# EAGLE board Mk4 Final Panel 8up 4x2 (EAGLE 9.0.1), part 9 of 23 (continued)
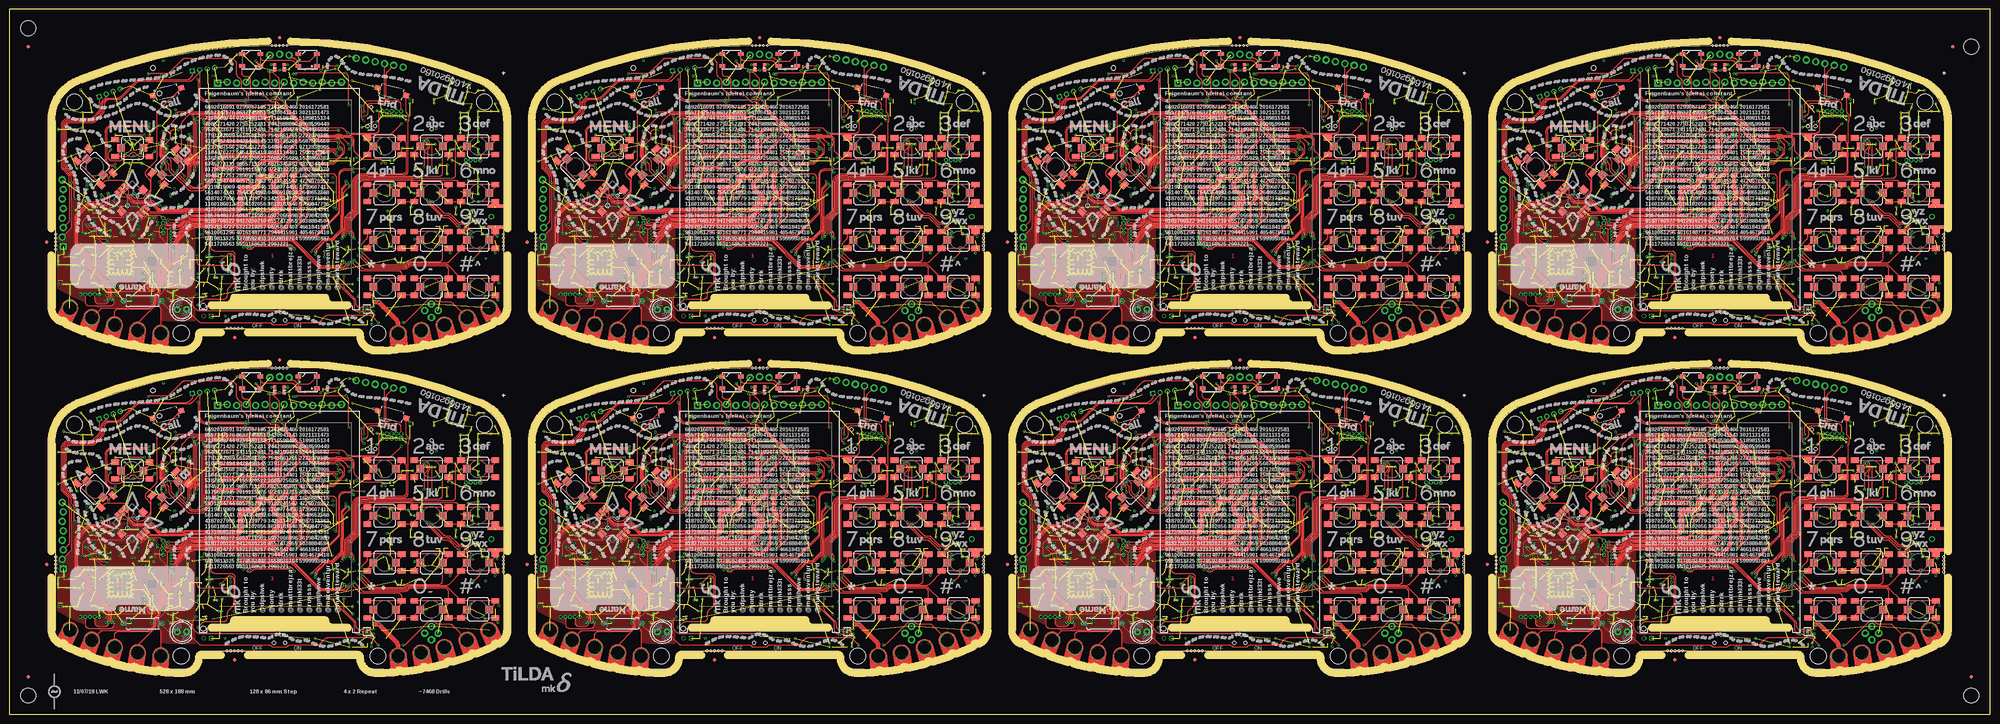
[diagram p0: board, top side]
## Tracks (layer width: path | path; a pad name or v marks a point on that pad's centre or on a via) (continued)
  Bottom 0.15: IC38.12 73.8,145.69 arc45 73.65,146.05 v73.2,146.5
  Bottom 0.2: IC47.32 24.75,124.25 24.54,124.46 arc-45 24.25,125.16 24.25,125.5 arc90 23.25,126.5 R229.1 C295.2 arc-90 19.5,127.25 v19.5,128.25
CC_!RESET3  (via drill 0.3)
  Top 0.15: v201.2,146.5 201.2,145.95 arc45 201.35,145.6 201.38,145.56 arc-45 201.53,145.21 201.53,145.09 arc-45 201.45,144.9 arc45 201.3,144.55 201.3,144.54 arc-45 201.15,144.19 198.86,141.89 arc90 198.86,140.12 200.31,138.67 arc-45 200.6,137.96 200.6,137.41 arc-45 200.45,137.05 200.25,136.85 arc45 200.1,136.49 200.1,136.22 arc-45 199.51,134.81 197.7,132.99 arc-45 196.99,132.7 176.78,132.7 arc45 174.58,131.85 173.63,130.89 arc-45 172.92,130.6 170.3,130.6 arc-90 169.8,131.1 169.8,131.51 arc90 JP34.4 168.39,132.91 arc45 167.69,133.2 165.13,133.2 arc45 164.78,133.05 164.26,132.53 arc-45 163.94,132.4 arc45 163.58,132.25 163.28,131.95 arc-90 162.93,131.95 161.56,133.31 arc45 160.86,133.6 159.81,133.6 arc45 159.11,133.31 158.49,132.69 arc-45 157.79,132.4 148.9,132.4 arc90 147.4,130.9 147.4,128.34 v147.5,128.24 v147.5,128.25
  Bottom 0.15: IC56.12 201.8,145.69 arc45 201.65,146.05 v201.2,146.5
  Bottom 0.2: IC65.32 152.75,124.25 152.54,124.46 arc-45 152.25,125.16 152.25,125.5 arc90 151.25,126.5 R307.1 C403.2 arc-90 147.5,127.25 v147.5,128.25
CC_!RESET4  (via drill 0.3)
  Top 0.15: v329.2,60.5 329.2,59.95 arc45 329.35,59.6 329.38,59.56 arc-45 329.52,59.21 329.52,59.09 arc-45 329.45,58.9 arc45 329.3,58.55 329.3,58.54 arc-45 329.15,58.19 326.86,55.89 arc90 326.86,54.12 328.31,52.67 arc-45 328.6,51.96 328.6,51.41 arc-45 328.45,51.05 328.25,50.85 arc45 328.1,50.49 328.1,50.22 arc-45 327.51,48.81 325.7,46.99 arc-45 324.99,46.7 304.78,46.7 arc45 302.58,45.85 301.63,44.89 arc-45 300.92,44.6 298.3,44.6 arc-90 297.8,45.1 297.8,45.51 arc90 JP43.4 296.39,46.91 arc45 295.69,47.2 293.13,47.2 arc45 292.78,47.05 292.26,46.53 arc-45 291.94,46.4 arc45 291.59,46.25 291.28,45.95 arc-90 290.93,45.95 289.56,47.31 arc45 288.86,47.6 287.81,47.6 arc45 287.11,47.31 286.49,46.69 arc-45 285.79,46.4 276.9,46.4 arc90 275.4,44.9 275.4,42.34 v275.5,42.24 v275.5,42.25
  Bottom 0.15: IC74.12 329.8,59.69 arc45 329.65,60.05 v329.2,60.5
  Bottom 0.2: IC83.32 280.75,38.25 280.54,38.46 arc-45 280.25,39.16 280.25,39.5 arc90 279.25,40.5 R385.1 C511.2 arc-90 275.5,41.25 v275.5,42.25
CC_!RESET5  (via drill 0.3)
  Top 0.15: v457.2,60.5 457.2,59.95 arc45 457.35,59.6 457.38,59.56 arc-45 457.52,59.21 457.52,59.09 arc-45 457.45,58.9 arc45 457.3,58.55 457.3,58.54 arc-45 457.15,58.19 454.86,55.89 arc90 454.86,54.12 456.31,52.67 arc-45 456.6,51.96 456.6,51.41 arc-45 456.45,51.05 456.25,50.85 arc45 456.1,50.49 456.1,50.22 arc-45 455.51,48.81 453.7,46.99 arc-45 452.99,46.7 432.78,46.7 arc45 430.58,45.85 429.63,44.89 arc-45 428.92,44.6 426.3,44.6 arc-90 425.8,45.1 425.8,45.51 arc90 JP52.4 424.39,46.91 arc45 423.69,47.2 421.13,47.2 arc45 420.78,47.05 420.26,46.53 arc-45 419.94,46.4 arc45 419.58,46.25 419.28,45.95 arc-90 418.93,45.95 417.56,47.31 arc45 416.86,47.6 415.81,47.6 arc45 415.11,47.31 414.49,46.69 arc-45 413.79,46.4 404.9,46.4 arc90 403.4,44.9 403.4,42.34 v403.5,42.24 v403.5,42.25
  Bottom 0.15: IC92.12 457.8,59.69 arc45 457.65,60.05 v457.2,60.5
  Bottom 0.2: IC101.32 408.75,38.25 408.54,38.46 arc-45 408.25,39.16 408.25,39.5 arc90 407.25,40.5 R463.1 C619.2 arc-90 403.5,41.25 v403.5,42.25
CC_!RESET6  (via drill 0.3)
  Top 0.15: v329.2,146.5 329.2,145.95 arc45 329.35,145.6 329.38,145.56 arc-45 329.52,145.21 329.52,145.09 arc-45 329.45,144.9 arc45 329.3,144.55 329.3,144.54 arc-45 329.15,144.19 326.86,141.89 arc90 326.86,140.12 328.31,138.67 arc-45 328.6,137.96 328.6,137.41 arc-45 328.45,137.05 328.25,136.85 arc45 328.1,136.49 328.1,136.22 arc-45 327.51,134.81 325.7,132.99 arc-45 324.99,132.7 304.78,132.7 arc45 302.58,131.85 301.63,130.89 arc-45 300.92,130.6 298.3,130.6 arc-90 297.8,131.1 297.8,131.51 arc90 JP61.4 296.39,132.91 arc45 295.69,133.2 293.13,133.2 arc45 292.78,133.05 292.26,132.53 arc-45 291.94,132.4 arc45 291.59,132.25 291.28,131.95 arc-90 290.93,131.95 289.56,133.31 arc45 288.86,133.6 287.81,133.6 arc45 287.11,133.31 286.49,132.69 arc-45 285.79,132.4 276.9,132.4 arc90 275.4,130.9 275.4,128.34 v275.5,128.24 v275.5,128.25
  Bottom 0.15: IC110.12 329.8,145.69 arc45 329.65,146.05 v329.2,146.5
  Bottom 0.2: IC119.32 280.75,124.25 280.54,124.46 arc-45 280.25,125.16 280.25,125.5 arc90 279.25,126.5 R541.1 C727.2 arc-90 275.5,127.25 v275.5,128.25
CC_!RESET7  (via drill 0.3)
  Top 0.15: v457.2,146.5 457.2,145.95 arc45 457.35,145.6 457.38,145.56 arc-45 457.52,145.21 457.52,145.09 arc-45 457.45,144.9 arc45 457.3,144.55 457.3,144.54 arc-45 457.15,144.19 454.86,141.89 arc90 454.86,140.12 456.31,138.67 arc-45 456.6,137.96 456.6,137.41 arc-45 456.45,137.05 456.25,136.85 arc45 456.1,136.49 456.1,136.22 arc-45 455.51,134.81 453.7,132.99 arc-45 452.99,132.7 432.78,132.7 arc45 430.58,131.85 429.63,130.89 arc-45 428.92,130.6 426.3,130.6 arc-90 425.8,131.1 425.8,131.51 arc90 JP70.4 424.39,132.91 arc45 423.69,133.2 421.13,133.2 arc45 420.78,133.05 420.26,132.53 arc-45 419.94,132.4 arc45 419.58,132.25 419.28,131.95 arc-90 418.93,131.95 417.56,133.31 arc45 416.86,133.6 415.81,133.6 arc45 415.11,133.31 414.49,132.69 arc-45 413.79,132.4 404.9,132.4 arc90 403.4,130.9 403.4,128.34 v403.5,128.24 v403.5,128.25
  Bottom 0.15: IC128.12 457.8,145.69 arc45 457.65,146.05 v457.2,146.5
  Bottom 0.2: IC137.32 408.75,124.25 408.54,124.46 arc-45 408.25,125.16 408.25,125.5 arc90 407.25,126.5 R619.1 C835.2 arc-90 403.5,127.25 v403.5,128.25
CC_!RTS
  Bottom 0.2: IC15.50 35.04,37.75 arc-45 35.4,37.6 35.65,37.35 arc45 36.01,37.2 38.05,37.2 arc90 38.55,37.7 38.55,37.8 R70.1
CC_!RTS1
  Bottom 0.2: IC29.50 163.04,37.75 arc-45 163.4,37.6 163.65,37.35 arc45 164.01,37.2 166.05,37.2 arc90 166.55,37.7 166.55,37.8 R148.1
CC_!RTS2
  Bottom 0.2: IC47.50 35.04,123.75 arc-45 35.4,123.6 35.65,123.35 arc45 36.01,123.2 38.05,123.2 arc90 38.55,123.7 38.55,123.8 R226.1
CC_!RTS3
  Bottom 0.2: IC65.50 163.04,123.75 arc-45 163.4,123.6 163.65,123.35 arc45 164.01,123.2 166.05,123.2 arc90 166.55,123.7 166.55,123.8 R304.1
CC_!RTS4
  Bottom 0.2: IC83.50 291.04,37.75 arc-45 291.4,37.6 291.65,37.35 arc45 292.01,37.2 294.05,37.2 arc90 294.55,37.7 294.55,37.8 R382.1
CC_!RTS5
  Bottom 0.2: IC101.50 419.04,37.75 arc-45 419.4,37.6 419.65,37.35 arc45 420.01,37.2 422.05,37.2 arc90 422.55,37.7 422.55,37.8 R460.1
CC_!RTS6
  Bottom 0.2: IC119.50 291.04,123.75 arc-45 291.4,123.6 291.65,123.35 arc45 292.01,123.2 294.05,123.2 arc90 294.55,123.7 294.55,123.8 R538.1
CC_!RTS7
  Bottom 0.2: IC137.50 419.04,123.75 arc-45 419.4,123.6 419.65,123.35 arc45 420.01,123.2 422.05,123.2 arc90 422.55,123.7 422.55,123.8 R616.1
CC_IRQ  (via drill 0.3)
  Top 0.15: v26.25,29.44 26.27,29.41 26.27,29.23 28.56,26.94 arc45 29.26,26.65 38.15,26.65 arc90 39.4,27.9 arc-45 39.91,29.14 39.96,29.18 arc45 40.4,30.25 40.4,31.6 arc-45 40.99,33.01 42.12,34.15 arc45 42.56,35.21 42.56,38.02 arc-45 42.86,38.73 47.99,43.86 arc-45 49.05,44.3 69.69,44.3 arc-45 70.39,44.01 70.91,43.49 arc45 71.61,43.2 71.89,43.2 arc45 72.59,43.49 74.21,45.11 arc45 74.5,45.81 74.5,49.68 arc-45 74.94,50.74 75.96,51.76 arc45 76.33,52.64 76.33,53.09 76.3,53.12 arc45 76.12,53.56 75.89,53.78 arc-45 75.6,54.49 75.6,57.44 arc-45 75.89,58.15 76.13,58.39 arc45 76.28,58.74 76.28,59.27 arc-45 76.42,59.62 v76.8,60
  Bottom 0.15: R72.1 26.25,27.75 v26.25,29.44 IC15.15 | IC1.123 78.82,60.8 arc45 78.78,60.78 arc-45 78.64,60.73 78.36,60.73 arc-45 78.22,60.78 78.17,60.84 arc45 78.03,60.9 76.08,60.9 arc90 75.58,60.4 75.58,60.2 arc90 76.08,59.7 76.5,59.7 v76.8,60
CC_IRQ1  (via drill 0.3)
  Top 0.15: v154.25,29.44 154.28,29.41 154.28,29.23 156.56,26.94 arc45 157.26,26.65 166.15,26.65 arc90 167.4,27.9 arc-45 167.91,29.14 167.96,29.18 arc45 168.4,30.25 168.4,31.6 arc-45 168.99,33.01 170.12,34.15 arc45 170.56,35.21 170.56,38.02 arc-45 170.86,38.73 175.99,43.86 arc-45 177.05,44.3 197.69,44.3 arc-45 198.39,44.01 198.91,43.49 arc45 199.61,43.2 199.89,43.2 arc45 200.59,43.49 202.21,45.11 arc45 202.5,45.81 202.5,49.68 arc-45 202.94,50.74 203.96,51.76 arc45 204.32,52.64 204.32,53.09 204.3,53.12 arc45 204.12,53.56 203.89,53.78 arc-45 203.6,54.49 203.6,57.44 arc-45 203.89,58.15 204.13,58.39 arc45 204.28,58.74 204.28,59.27 arc-45 204.42,59.62 v204.8,60
  Bottom 0.15: R150.1 154.25,27.75 v154.25,29.44 IC29.15 | IC20.123 206.82,60.8 arc45 206.78,60.78 arc-45 206.63,60.73 206.37,60.73 arc-45 206.22,60.78 206.17,60.84 arc45 206.03,60.9 204.07,60.9 arc90 203.57,60.4 203.57,60.2 arc90 204.07,59.7 204.5,59.7 v204.8,60
CC_IRQ2  (via drill 0.3)
  Top 0.15: v26.25,115.44 26.27,115.41 26.27,115.22 28.56,112.94 arc45 29.26,112.65 38.15,112.65 arc90 39.4,113.9 arc-45 39.91,115.14 39.96,115.19 arc45 40.4,116.25 40.4,117.6 arc-45 40.99,119.01 42.12,120.15 arc45 42.56,121.21 42.56,124.02 arc-45 42.86,124.73 47.99,129.86 arc-45 49.05,130.3 69.69,130.3 arc-45 70.39,130.01 70.91,129.49 arc45 71.61,129.2 71.89,129.2 arc45 72.59,129.49 74.21,131.11 arc45 74.5,131.81 74.5,135.68 arc-45 74.94,136.74 75.96,137.76 arc45 76.33,138.64 76.33,139.09 76.3,139.12 arc45 76.12,139.56 75.89,139.78 arc-45 75.6,140.49 75.6,143.44 arc-45 75.89,144.15 76.13,144.39 arc45 76.28,144.74 76.28,145.27 arc-45 76.42,145.62 v76.8,146
  Bottom 0.15: R228.1 26.25,113.75 v26.25,115.44 IC47.15 | IC38.123 78.82,146.8 arc45 78.78,146.78 arc-45 78.64,146.72 78.36,146.72 arc-45 78.22,146.78 78.17,146.84 arc45 78.03,146.9 76.08,146.9 arc90 75.58,146.4 75.58,146.2 arc90 76.08,145.7 76.5,145.7 v76.8,146
CC_IRQ3  (via drill 0.3)
  Top 0.15: v154.25,115.44 154.28,115.41 154.28,115.22 156.56,112.94 arc45 157.26,112.65 166.15,112.65 arc90 167.4,113.9 arc-45 167.91,115.14 167.96,115.19 arc45 168.4,116.25 168.4,117.6 arc-45 168.99,119.01 170.12,120.15 arc45 170.56,121.21 170.56,124.02 arc-45 170.86,124.73 175.99,129.86 arc-45 177.05,130.3 197.69,130.3 arc-45 198.39,130.01 198.91,129.49 arc45 199.61,129.2 199.89,129.2 arc45 200.59,129.49 202.21,131.11 arc45 202.5,131.81 202.5,135.68 arc-45 202.94,136.74 203.96,137.76 arc45 204.32,138.64 204.32,139.09 204.3,139.12 arc45 204.12,139.56 203.89,139.78 arc-45 203.6,140.49 203.6,143.44 arc-45 203.89,144.15 204.13,144.39 arc45 204.28,144.74 204.28,145.27 arc-45 204.42,145.62 v204.8,146
  Bottom 0.15: R306.1 154.25,113.75 v154.25,115.44 IC65.15 | IC56.123 206.82,146.8 arc45 206.78,146.78 arc-45 206.63,146.72 206.37,146.72 arc-45 206.22,146.78 206.17,146.84 arc45 206.03,146.9 204.07,146.9 arc90 203.57,146.4 203.57,146.2 arc90 204.07,145.7 204.5,145.7 v204.8,146
CC_IRQ4  (via drill 0.3)
  Top 0.15: v282.25,29.44 282.27,29.41 282.27,29.23 284.56,26.94 arc45 285.26,26.65 294.15,26.65 arc90 295.4,27.9 arc-45 295.91,29.14 295.96,29.18 arc45 296.4,30.25 296.4,31.6 arc-45 296.99,33.01 298.12,34.15 arc45 298.56,35.21 298.56,38.02 arc-45 298.86,38.73 303.99,43.86 arc-45 305.05,44.3 325.69,44.3 arc-45 326.39,44.01 326.91,43.49 arc45 327.61,43.2 327.89,43.2 arc45 328.59,43.49 330.21,45.11 arc45 330.5,45.81 330.5,49.68 arc-45 330.94,50.74 331.96,51.76 arc45 332.32,52.64 332.32,53.09 332.3,53.12 arc45 332.12,53.56 331.89,53.78 arc-45 331.6,54.49 331.6,57.44 arc-45 331.89,58.15 332.13,58.39 arc45 332.27,58.74 332.27,59.27 arc-45 332.42,59.62 v332.8,60
  Bottom 0.15: R384.1 282.25,27.75 v282.25,29.44 IC83.15 | IC74.123 334.82,60.8 arc45 334.78,60.78 arc-45 334.63,60.73 334.37,60.73 arc-45 334.22,60.78 334.17,60.84 arc45 334.02,60.9 332.07,60.9 arc90 331.57,60.4 331.57,60.2 arc90 332.07,59.7 332.5,59.7 v332.8,60
CC_IRQ5  (via drill 0.3)
  Top 0.15: v410.25,29.44 410.27,29.41 410.27,29.23 412.56,26.94 arc45 413.26,26.65 422.15,26.65 arc90 423.4,27.9 arc-45 423.91,29.14 423.96,29.18 arc45 424.4,30.25 424.4,31.6 arc-45 424.99,33.01 426.12,34.15 arc45 426.56,35.21 426.56,38.02 arc-45 426.86,38.73 431.99,43.86 arc-45 433.05,44.3 453.69,44.3 arc-45 454.39,44.01 454.91,43.49 arc45 455.61,43.2 455.89,43.2 arc45 456.59,43.49 458.21,45.11 arc45 458.5,45.81 458.5,49.68 arc-45 458.94,50.74 459.96,51.76 arc45 460.32,52.64 460.32,53.09 460.3,53.12 arc45 460.12,53.56 459.89,53.78 arc-45 459.6,54.49 459.6,57.44 arc-45 459.89,58.15 460.13,58.39 arc45 460.27,58.74 460.27,59.27 arc-45 460.42,59.62 v460.8,60
  Bottom 0.15: R462.1 410.25,27.75 v410.25,29.44 IC101.15 | IC92.123 462.82,60.8 arc45 462.78,60.78 arc-45 462.63,60.73 462.37,60.73 arc-45 462.22,60.78 462.17,60.84 arc45 462.02,60.9 460.07,60.9 arc90 459.57,60.4 459.57,60.2 arc90 460.07,59.7 460.5,59.7 v460.8,60
CC_IRQ6  (via drill 0.3)
  Top 0.15: v282.25,115.44 282.27,115.41 282.27,115.22 284.56,112.94 arc45 285.26,112.65 294.15,112.65 arc90 295.4,113.9 arc-45 295.91,115.14 295.96,115.19 arc45 296.4,116.25 296.4,117.6 arc-45 296.99,119.01 298.12,120.15 arc45 298.56,121.21 298.56,124.02 arc-45 298.86,124.73 303.99,129.86 arc-45 305.05,130.3 325.69,130.3 arc-45 326.39,130.01 326.91,129.49 arc45 327.61,129.2 327.89,129.2 arc45 328.59,129.49 330.21,131.11 arc45 330.5,131.81 330.5,135.68 arc-45 330.94,136.74 331.96,137.76 arc45 332.32,138.64 332.32,139.09 332.3,139.12 arc45 332.12,139.56 331.89,139.78 arc-45 331.6,140.49 331.6,143.44 arc-45 331.89,144.15 332.13,144.39 arc45 332.27,144.74 332.27,145.27 arc-45 332.42,145.62 v332.8,146
  Bottom 0.15: R540.1 282.25,113.75 v282.25,115.44 IC119.15 | IC110.123 334.82,146.8 arc45 334.78,146.78 arc-45 334.63,146.72 334.37,146.72 arc-45 334.22,146.78 334.17,146.84 arc45 334.02,146.9 332.07,146.9 arc90 331.57,146.4 331.57,146.2 arc90 332.07,145.7 332.5,145.7 v332.8,146
CC_IRQ7  (via drill 0.3)
  Top 0.15: v410.25,115.44 410.27,115.41 410.27,115.22 412.56,112.94 arc45 413.26,112.65 422.15,112.65 arc90 423.4,113.9 arc-45 423.91,115.14 423.96,115.19 arc45 424.4,116.25 424.4,117.6 arc-45 424.99,119.01 426.12,120.15 arc45 426.56,121.21 426.56,124.02 arc-45 426.86,124.73 431.99,129.86 arc-45 433.05,130.3 453.69,130.3 arc-45 454.39,130.01 454.91,129.49 arc45 455.61,129.2 455.89,129.2 arc45 456.59,129.49 458.21,131.11 arc45 458.5,131.81 458.5,135.68 arc-45 458.94,136.74 459.96,137.76 arc45 460.32,138.64 460.32,139.09 460.3,139.12 arc45 460.12,139.56 459.89,139.78 arc-45 459.6,140.49 459.6,143.44 arc-45 459.89,144.15 460.13,144.39 arc45 460.27,144.74 460.27,145.27 arc-45 460.42,145.62 v460.8,146
  Bottom 0.15: R618.1 410.25,113.75 v410.25,115.44 IC137.15 | IC128.123 462.82,146.8 arc45 462.78,146.78 arc-45 462.63,146.72 462.37,146.72 arc-45 462.22,146.78 462.17,146.84 arc45 462.02,146.9 460.07,146.9 arc90 459.57,146.4 459.57,146.2 arc90 460.07,145.7 460.5,145.7 v460.8,146
CC_RCT_XTAL_N
  Bottom 0.25: C100.2 38.05,33.25 X3.P$1 37.25,33.2 arc-90 36.75,33.7 36.75,35.44 arc45 36.6,35.8 36.15,36.25 arc45 35.79,36.4 35.56,36.4 arc-45 35.2,36.55 35.15,36.6 arc45 34.79,36.75 IC15.52
CC_RCT_XTAL_N1
  Bottom 0.25: C208.2 166.05,33.25 X7.P$1 165.25,33.2 arc-90 164.75,33.7 164.75,35.44 arc45 164.6,35.8 164.15,36.25 arc45 163.79,36.4 163.56,36.4 arc-45 163.2,36.55 163.15,36.6 arc45 162.79,36.75 IC29.52
CC_RCT_XTAL_N2
  Bottom 0.25: C316.2 38.05,119.25 X11.P$1 37.25,119.2 arc-90 36.75,119.7 36.75,121.44 arc45 36.6,121.8 36.15,122.25 arc45 35.79,122.4 35.56,122.4 arc-45 35.2,122.55 35.15,122.6 arc45 34.79,122.75 IC47.52
CC_RCT_XTAL_N3
  Bottom 0.25: C424.2 166.05,119.25 X15.P$1 165.25,119.2 arc-90 164.75,119.7 164.75,121.44 arc45 164.6,121.8 164.15,122.25 arc45 163.79,122.4 163.56,122.4 arc-45 163.2,122.55 163.15,122.6 arc45 162.79,122.75 IC65.52
CC_RCT_XTAL_N4
  Bottom 0.25: C532.2 294.05,33.25 X19.P$1 293.25,33.2 arc-90 292.75,33.7 292.75,35.44 arc45 292.6,35.8 292.15,36.25 arc45 291.79,36.4 291.56,36.4 arc-45 291.2,36.55 291.15,36.6 arc45 290.79,36.75 IC83.52
CC_RCT_XTAL_N5
  Bottom 0.25: C640.2 422.05,33.25 X23.P$1 421.25,33.2 arc-90 420.75,33.7 420.75,35.44 arc45 420.6,35.8 420.15,36.25 arc45 419.79,36.4 419.56,36.4 arc-45 419.2,36.55 419.15,36.6 arc45 418.79,36.75 IC101.52
CC_RCT_XTAL_N6
  Bottom 0.25: C748.2 294.05,119.25 X27.P$1 293.25,119.2 arc-90 292.75,119.7 292.75,121.44 arc45 292.6,121.8 292.15,122.25 arc45 291.79,122.4 291.56,122.4 arc-45 291.2,122.55 291.15,122.6 arc45 290.79,122.75 IC119.52
CC_RCT_XTAL_N7
  Bottom 0.25: C856.2 422.05,119.25 X31.P$1 421.25,119.2 arc-90 420.75,119.7 420.75,121.44 arc45 420.6,121.8 420.15,122.25 arc45 419.79,122.4 419.56,122.4 arc-45 419.2,122.55 419.15,122.6 arc45 418.79,122.75 IC137.52
CC_RESERVED@1
  Bottom 0.15: IC29.19 152.72,31.75 arc90 152.47,31.5 152.47,30.53 153,30.01 R143.1
CC_RESERVED@2
  Bottom 0.15: IC47.19 24.73,117.75 arc90 24.48,117.5 24.48,116.53 25,116.01 R221.1
CC_RESERVED@3
  Bottom 0.15: IC65.19 152.72,117.75 arc90 152.47,117.5 152.47,116.53 153,116.01 R299.1
CC_RESERVED@4
  Bottom 0.15: IC83.19 280.73,31.75 arc90 280.48,31.5 280.48,30.53 281,30.01 R377.1
CC_RESERVED@5
  Bottom 0.15: IC101.19 408.73,31.75 arc90 408.48,31.5 408.48,30.53 409,30.01 R455.1
CC_RESERVED@6
  Bottom 0.15: IC119.19 280.73,117.75 arc90 280.48,117.5 280.48,116.53 281,116.01 R533.1
CC_RESERVED@7
  Bottom 0.15: IC137.19 408.73,117.75 arc90 408.48,117.5 408.48,116.53 409,116.01 R611.1
CC_RESERVED@19
  Bottom 0.15: IC15.19 24.73,31.75 arc90 24.48,31.5 24.48,30.53 25,30.01 R65.1
CC_RTC_XTAL_P
  Bottom 0.25: C101.2 38.05,36.25 X3.P$2 36.91,36.3 arc-45 36.55,36.45 36.32,36.68 arc45 35.97,36.83 35.85,36.83 arc-45 35.5,36.97 35.37,37.1 arc45 35.01,37.25 IC15.51
CC_RTC_XTAL_P1
  Bottom 0.25: C209.2 166.05,36.25 X7.P$2 164.91,36.3 arc-45 164.55,36.45 164.32,36.68 arc45 163.97,36.83 163.85,36.83 arc-45 163.5,36.97 163.37,37.1 arc45 163.01,37.25 IC29.51
CC_RTC_XTAL_P2
  Bottom 0.25: C317.2 38.05,122.25 X11.P$2 36.91,122.3 arc-45 36.55,122.45 36.32,122.68 arc45 35.97,122.83 35.85,122.83 arc-45 35.5,122.97 35.37,123.1 arc45 35.01,123.25 IC47.51
CC_RTC_XTAL_P3
  Bottom 0.25: C425.2 166.05,122.25 X15.P$2 164.91,122.3 arc-45 164.55,122.45 164.32,122.68 arc45 163.97,122.83 163.85,122.83 arc-45 163.5,122.97 163.37,123.1 arc45 163.01,123.25 IC65.51
CC_RTC_XTAL_P4
  Bottom 0.25: C533.2 294.05,36.25 X19.P$2 292.91,36.3 arc-45 292.55,36.45 292.32,36.68 arc45 291.97,36.83 291.85,36.83 arc-45 291.5,36.97 291.37,37.1 arc45 291.01,37.25 IC83.51
CC_RTC_XTAL_P5
  Bottom 0.25: C641.2 422.05,36.25 X23.P$2 420.91,36.3 arc-45 420.55,36.45 420.32,36.68 arc45 419.97,36.83 419.85,36.83 arc-45 419.5,36.97 419.37,37.1 arc45 419.01,37.25 IC101.51
CC_RTC_XTAL_P6
  Bottom 0.25: C749.2 294.05,122.25 X27.P$2 292.91,122.3 arc-45 292.55,122.45 292.32,122.68 arc45 291.97,122.83 291.85,122.83 arc-45 291.5,122.97 291.37,123.1 arc45 291.01,123.25 IC119.51
CC_RTC_XTAL_P7
  Bottom 0.25: C857.2 422.05,122.25 X31.P$2 420.91,122.3 arc-45 420.55,122.45 420.32,122.68 arc45 419.97,122.83 419.85,122.83 arc-45 419.5,122.97 419.37,123.1 arc45 419.01,123.25 IC137.51
CC_TEST1
  Bottom 0.15: IC29.62 162.32,31.75 arc-90 162.53,31.55 162.53,29.27 TP38.TP
CC_TEST2
  Bottom 0.15: IC47.62 34.33,117.75 arc-90 34.52,117.55 34.52,115.28 TP57.TP
CC_TEST3
  Bottom 0.15: IC65.62 162.32,117.75 arc-90 162.53,117.55 162.53,115.28 TP76.TP
CC_TEST4
  Bottom 0.15: IC83.62 290.32,31.75 arc-90 290.52,31.55 290.52,29.27 TP95.TP
CC_TEST5
  Bottom 0.15: IC101.62 418.32,31.75 arc-90 418.52,31.55 418.52,29.27 TP114.TP
CC_TEST6
  Bottom 0.15: IC119.62 290.32,117.75 arc-90 290.52,117.55 290.52,115.28 TP133.TP
CC_TEST7
  Bottom 0.15: IC137.62 418.32,117.75 arc-90 418.52,117.55 418.52,115.28 TP152.TP
CC_TEST62
  Bottom 0.15: IC15.62 34.33,31.75 arc-90 34.52,31.55 34.52,29.27 TP19.TP
CC_WLAN_XTAL_
  Bottom 0.15: X4.3 19.88,30.32 20.51,30.96 arc-45 21.21,31.25 22.04,31.25 arc-45 22.74,30.96 C99.2 arc90 23.88,31.68 23.88,32.5 arc-90 24.62,33.25 IC15.22
CC_WLAN_XTAL_1
  Bottom 0.15: X8.3 147.88,30.32 148.51,30.96 arc-45 149.21,31.25 150.04,31.25 arc-45 150.74,30.96 C207.2 arc90 151.88,31.68 151.88,32.5 arc-90 152.62,33.25 IC29.22
CC_WLAN_XTAL_2
  Bottom 0.15: X12.3 19.88,116.33 20.51,116.96 arc-45 21.21,117.25 22.04,117.25 arc-45 22.74,116.96 C315.2 arc90 23.88,117.67 23.88,118.5 arc-90 24.62,119.25 IC47.22
CC_WLAN_XTAL_3
  Bottom 0.15: X16.3 147.88,116.33 148.51,116.96 arc-45 149.21,117.25 150.04,117.25 arc-45 150.74,116.96 C423.2 arc90 151.88,117.67 151.88,118.5 arc-90 152.62,119.25 IC65.22
CC_WLAN_XTAL_4
  Bottom 0.15: X20.3 275.88,30.32 276.51,30.96 arc-45 277.21,31.25 278.04,31.25 arc-45 278.74,30.96 C531.2 arc90 279.88,31.68 279.88,32.5 arc-90 280.62,33.25 IC83.22
CC_WLAN_XTAL_5
  Bottom 0.15: X24.3 403.88,30.32 404.51,30.96 arc-45 405.21,31.25 406.04,31.25 arc-45 406.74,30.96 C639.2 arc90 407.88,31.68 407.88,32.5 arc-90 408.62,33.25 IC101.22
CC_WLAN_XTAL_6
  Bottom 0.15: X28.3 275.88,116.33 276.51,116.96 arc-45 277.21,117.25 278.04,117.25 arc-45 278.74,116.96 C747.2 arc90 279.88,117.67 279.88,118.5 arc-90 280.62,119.25 IC119.22
CC_WLAN_XTAL_7
  Bottom 0.15: X32.3 403.88,116.33 404.51,116.96 arc-45 405.21,117.25 406.04,117.25 arc-45 406.74,116.96 C855.2 arc90 407.88,117.67 407.88,118.5 arc-90 408.62,119.25 IC137.22
CC_WLAN_XTAL_P
  Bottom 0.15: X4.1 22.38,31.75 C98.2 arc90 23.58,32.38 23.58,32.75 arc-90 24.58,33.75 IC15.23
CC_WLAN_XTAL_P1
  Bottom 0.15: X8.1 150.38,31.75 C206.2 arc90 151.57,32.38 151.57,32.75 arc-90 152.57,33.75 IC29.23
CC_WLAN_XTAL_P2
  Bottom 0.15: X12.1 22.38,117.75 C314.2 arc90 23.58,118.38 23.58,118.75 arc-90 24.58,119.75 IC47.23
CC_WLAN_XTAL_P3
  Bottom 0.15: X16.1 150.38,117.75 C422.2 arc90 151.57,118.38 151.57,118.75 arc-90 152.57,119.75 IC65.23
CC_WLAN_XTAL_P4
  Bottom 0.15: X20.1 278.38,31.75 C530.2 arc90 279.57,32.38 279.57,32.75 arc-90 280.57,33.75 IC83.23
CC_WLAN_XTAL_P5
  Bottom 0.15: X24.1 406.38,31.75 C638.2 arc90 407.57,32.38 407.57,32.75 arc-90 408.57,33.75 IC101.23
CC_WLAN_XTAL_P6
  Bottom 0.15: X28.1 278.38,117.75 C746.2 arc90 279.57,118.38 279.57,118.75 arc-90 280.57,119.75 IC119.23
CC_WLAN_XTAL_P7
  Bottom 0.15: X32.1 406.38,117.75 C854.2 arc90 407.57,118.38 407.57,118.75 arc-90 408.57,119.75 IC137.23
DCDC_ANA_SW
  Bottom 0.25: 28.25,42.7 IC15.38
  Bottom 0.4: L7.2 27.6,44.21 arc45 27.89,43.51 27.96,43.44 arc-45 28.25,42.74 28.25,42.7
DCDC_ANA_SW1
  Bottom 0.25: 156.25,42.7 IC29.38
  Bottom 0.4: L16.2 155.6,44.21 arc45 155.89,43.51 155.96,43.44 arc-45 156.25,42.74 156.25,42.7
DCDC_ANA_SW2
  Bottom 0.25: 28.25,128.7 IC47.38
  Bottom 0.4: L25.2 27.6,130.21 arc45 27.89,129.51 27.96,129.44 arc-45 28.25,128.74 28.25,128.7
DCDC_ANA_SW3
  Bottom 0.25: 156.25,128.7 IC65.38
  Bottom 0.4: L34.2 155.6,130.21 arc45 155.89,129.51 155.96,129.44 arc-45 156.25,128.74 156.25,128.7
DCDC_ANA_SW4
  Bottom 0.25: 284.25,42.7 IC83.38
  Bottom 0.4: L43.2 283.6,44.21 arc45 283.89,43.51 283.96,43.44 arc-45 284.25,42.74 284.25,42.7
DCDC_ANA_SW5
  Bottom 0.25: 412.25,42.7 IC101.38
  Bottom 0.4: L52.2 411.6,44.21 arc45 411.89,43.51 411.96,43.44 arc-45 412.25,42.74 412.25,42.7
DCDC_ANA_SW6
  Bottom 0.25: 284.25,128.7 IC119.38
  Bottom 0.4: L61.2 283.6,130.21 arc45 283.89,129.51 283.96,129.44 arc-45 284.25,128.74 284.25,128.7
DCDC_ANA_SW7
  Bottom 0.25: 412.25,128.7 IC137.38
  Bottom 0.4: L70.2 411.6,130.21 arc45 411.89,129.51 411.96,129.44 arc-45 412.25,128.74 412.25,128.7
DCDC_DIG_SW
  Bottom 0.25: IC15.43 30.75,39.79 arc-45 31.04,40.49 31.56,41.01 arc45 31.85,41.71 arc-45 32.12,42.37 32.21,42.46 arc-45 32.91,42.75 35.85,42.75 L9.2
DCDC_DIG_SW1
  Bottom 0.25: IC29.43 158.75,39.79 arc-45 159.04,40.49 159.56,41.01 arc45 159.85,41.71 arc-45 160.12,42.37 160.21,42.46 arc-45 160.91,42.75 163.85,42.75 L18.2
DCDC_DIG_SW2
  Bottom 0.25: IC47.43 30.75,125.79 arc-45 31.04,126.49 31.56,127.01 arc45 31.85,127.71 arc-45 32.12,128.37 32.21,128.46 arc-45 32.91,128.75 35.85,128.75 L27.2
DCDC_DIG_SW3
  Bottom 0.25: IC65.43 158.75,125.79 arc-45 159.04,126.49 159.56,127.01 arc45 159.85,127.71 arc-45 160.12,128.37 160.21,128.46 arc-45 160.91,128.75 163.85,128.75 L36.2
DCDC_DIG_SW4
  Bottom 0.25: IC83.43 286.75,39.79 arc-45 287.04,40.49 287.56,41.01 arc45 287.85,41.71 arc-45 288.12,42.37 288.21,42.46 arc-45 288.91,42.75 291.85,42.75 L45.2
DCDC_DIG_SW5
  Bottom 0.25: IC101.43 414.75,39.79 arc-45 415.04,40.49 415.56,41.01 arc45 415.85,41.71 arc-45 416.12,42.37 416.21,42.46 arc-45 416.91,42.75 419.85,42.75 L54.2
DCDC_DIG_SW6
  Bottom 0.25: IC119.43 286.75,125.79 arc-45 287.04,126.49 287.56,127.01 arc45 287.85,127.71 arc-45 288.12,128.37 288.21,128.46 arc-45 288.91,128.75 291.85,128.75 L63.2
DCDC_DIG_SW7
  Bottom 0.25: IC137.43 414.75,125.79 arc-45 415.04,126.49 415.56,127.01 arc45 415.85,127.71 arc-45 416.12,128.37 416.21,128.46 arc-45 416.91,128.75 419.85,128.75 L72.2
DCDC_PA_SW_N
  Bottom 0.25: IC15.41 29.75,40.29 arc-45 30.04,40.99 30.75,41.7
  Bottom 0.3: 30.75,41.7 30.75,41.76 31,42.01 31,44 31.1,44.1
  Bottom 0.5: 31.1,44.1 31.1,45.59 arc45 30.95,45.95 30.3,46.6 L8.1
DCDC_PA_SW_N1
  Bottom 0.25: IC29.41 157.75,40.29 arc-45 158.04,40.99 158.75,41.7
  Bottom 0.3: 158.75,41.7 158.75,41.76 159,42.01 159,44 159.1,44.1
  Bottom 0.5: 159.1,44.1 159.1,45.59 arc45 158.95,45.95 158.3,46.6 L17.1
DCDC_PA_SW_N2
  Bottom 0.25: IC47.41 29.75,126.29 arc-45 30.04,126.99 30.75,127.7
  Bottom 0.3: 30.75,127.7 30.75,127.76 31,128.01 31,130 31.1,130.1
  Bottom 0.5: 31.1,130.1 31.1,131.59 arc45 30.95,131.95 30.3,132.6 L26.1
DCDC_PA_SW_N3
  Bottom 0.25: IC65.41 157.75,126.29 arc-45 158.04,126.99 158.75,127.7